# Allegro board STANDARD.brd (continued)
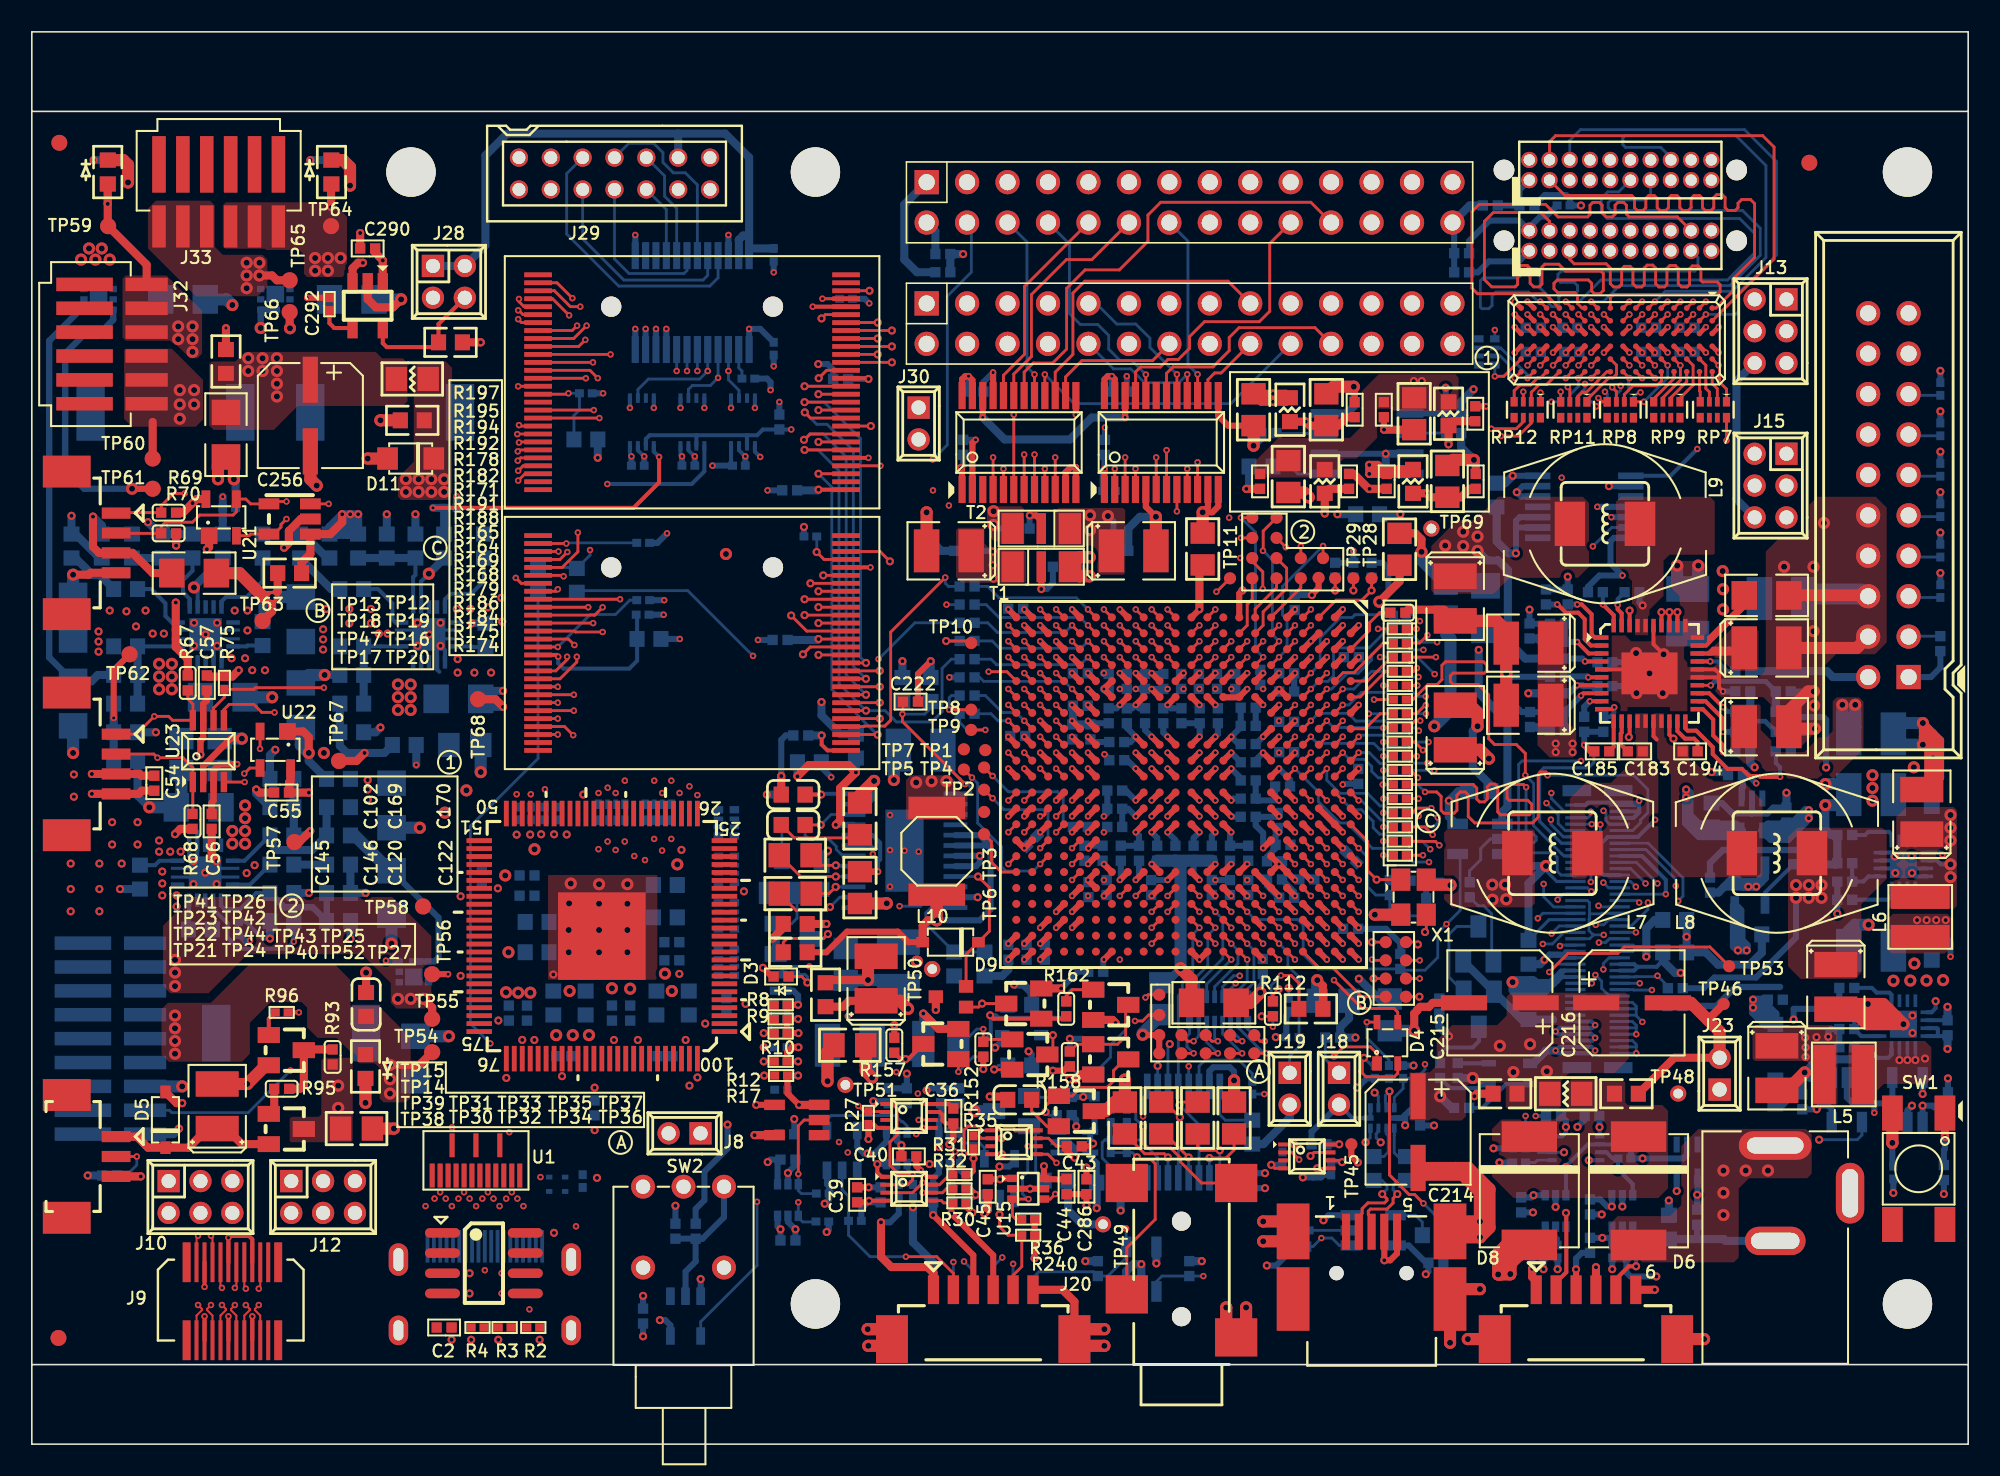
[diagram p0: board, top side]
## Nets (continued)
DRV_EXT_POWER_ON: J3.14 U9.15(B7)
DRV_GPIO00: J6.18 U9.14(B8)
DRV_GPIO02: J6.22 U9.18(B4)
DRV_GPIO11: J6.9 U9.17(B5)
DRV_GPIO12: J6.10 U9.16(B6)
DRV_INIT_DONE: J3.20 U9.21(B1)
DRV_TRIG_OUTA_1: J6.24 R31.1 U12.7(B1)
DRV_TRIG_OUTA_2: J6.25 R32.1 U12.6(B2)
DRV_TRIG_OUTB_1: J3.18 R42.1 U18.7(B1)
DRV_TRIG_OUTB_2: J3.16 R45.1 U18.6(B2)
DRV_UART0_TXD: J3.8 U9.20(B2)
DVB0: RP1.1 U3.10(QE0)
DVB1: RP1.2 U3.11(QE1)
DVB2: RP1.3 U3.12(QE2)
DVB3: RP1.4 U3.13(QE3)
DVB4: RP2.1 U3.14(QE4)
DVB5: RP2.2 U3.15(QE5)
DVB6: RP2.3 U3.16(QE6)
DVB7: RP2.4 U3.17(QE7)
DVCLK: R15.1 U3.44(ODCK)
DVDE: R23.1 U3.46(DEN)
DVG0: RP3.1 U3.20(QE8)
DVG1: RP3.2 U3.21(QE9)
DVG2: RP3.3 U3.22(QE10)
DVG3: RP3.4 U3.23(QE11)
DVG4: RP4.1 U3.24(QE12)
DVG5: RP4.2 U3.25(QE13)
DVG6: RP4.3 U3.26(QE14)
DVG7: RP4.4 U3.27(QE15)
DVHS: R16.1 U3.48(HSYNC)
DVI_5V: C2.1 J7.18(+5V) R1.2 R2.1 R3.1 R4.1 U2.8(VCC)
DVI_EDID_SCL: D2.1(CATHODE) J7.15(SCL) R3.2 U2.6(SCL)
DVI_EDID_SDA: D1.1(CATHODE) J7.16(SDA) R2.2 U2.5(SDA)
DVR0: RP5.1 U3.30(QE16)
DVR1: RP5.2 U3.31(QE17)
DVR2: RP5.3 U3.32(QE18)
DVR3: RP5.4 U3.33(QE19)
DVR4: RP6.1 U3.34(QE20)
DVR5: RP6.2 U3.35(QE21)
DVR6: RP6.3 U3.36(QE22)
DVR7: RP6.4 U3.37(QE23)
DVVS: R18.1 U3.47(VSYNC)
EXT_1V8: C3.1 C18.1 C23.1 C24.2 C26.2 C28.2 C30.2 C32.1 C35.1 C40.1 C44.1 C51.1 C56.1 J3.1 J4.2(P2) R25.1 U4.6(VCCB) U6.C3(1VCCB) U6.F3(2VCCB) U6.L3(3VCCB) U6.P3(4VCCB) U8.23(VCCB1) U8.24(VCCB) U9.23(VCCB1) U9.24(VCCB) U12.8(VCCB) U15.6(VCCB) U18.8(VCCB) U23.3(VCCA)
EXT_POWER_ON: U7.D21(EXT_POWER_ON) U9.9(A7)
EXT_TRIG1_IN_VCC: C38.1 C294.1 J10.1 J10.3 J10.5 J11.1 R28.1 U11.1(VCCA) U51.5(VCC)
EXT_TRIG1_OUT_VCC: C47.1 J13.1 J13.3 J13.5 J14.1 R38.1 U16.6(VCCB)
EXT_TRIG2_IN_VCC: C42.1 C295.1 J11.4 J12.1 J12.3 J12.5 R33.1 U13.1(VCCA) U52.5(VCC)
EXT_TRIG2_OUT_VCC: C49.1 J14.4 J15.1 J15.3 J15.5 R40.1 U17.6(VCCB)
FAN1_OUT: C67.2 D5.2(CATHODE) J22.1 Q1.1(EMITTER)
FAN1_PWMR: Q2.2(BASE) R96.2
FAN1_PWMZ: Q2.3(COLLECTOR) R93.1 R95.1
FAN1_PWMZR: Q1.2(BASE) R95.2
FAN_LOCKED: J22.2 R94.1 U7.B17(FAN_LOCK)
FAN_PWM: R96.1 U7.D15(FAN_PWM)
FLASH_CSS2Z: R62.1 U20.32(C\E\)
FLASH_CSSZ: R59.1 U19.32(C\E\)
FLASH_CSZ: R59.2 U7.U2(PM_CSZ_1)
FLASH_CSZ_2: R62.2 U7.U1(PM_CSZ_2)
FLASH_RSTZ: R65.1 R66.1 U19.14(R\P\) U20.14(R\P\)
GPIO_00: U7.C15(GPIO_00) U9.10(A8)
GPIO_02: U7.A17(GPIO_02) U9.6(A4)
GPIO_11: U7.A19(GPIO_11) U9.7(A5)
GPIO_12: U7.M4(GPIO_12) U9.8(A6)
GRN_ANODE: C269.2 D13.1(ANODE) J32.1 J32.2 J32.3 L12.2 R212.2(N2) TP59.1(P1)
GRN_CATHODE: J32.4 J32.5 J32.6 Q17.1(D3) Q17.2(D2) Q17.5(D5) Q17.6(D6) Q17.D(D_BOTTOM) TP60.1(P1)
GRN_LED_EN: R216.2(N2) R237.1 U41.5(Y)
GRN_LED_EN_CON: J29.6(P6) U42.20(B2)
GRN_LED_PWM_CON: J29.9(P9) U42.17(B5)
HOLD_BOOT_LOADER: J18.1 R71.1 U7.D18(HOLD_W_BOOT)
I2C1_SCL: J17.1 R67.1 U7.J3(I2C1_SCL) U22.2(IO1) U23.8(B1)
I2C1_SDA: J17.2 R68.1 U7.J4(I2C1_SDA) U22.3(IO2) U23.1(B2)
I2C_ADDR_SEL: J19.1 R74.1 U7.F21(I2C_ADDR_SEL)
ICE_RSTZ: J24.15 R109.2 U31.4(\ \R\E\S\E\T) U32.2(I)
ICTSEN_PD: R113.2 U7.V6(ICTSEN)
INIT_DONE: U7.F19(INIT_DONE) U9.3(A1)
LED_CTRL_VOLTAGE: C248.1 J28.1 J28.3 J29.11(P11) U42.23(VCCB1) U42.24(VCCB)
LED_STATUS_GRN: D4.1(CATHODE1) U7.C16(HEARTBEAT)
LED_STATUS_RED: D4.4(CATHODE2) U7.B16(FAULT_STATUS)
LED_VOUT: J31.2 U44.3(AIN)
LEDB_EN: U7.K1(LEDB_EN) U42.5(A3) U43.2(B)
LEDB_PWM: R228.2(N2) U7.K4(LEDB_PWM) U42.8(A6)
LEDG_EN: U7.L4(LEDG_EN) U41.2(B) U42.4(A2)
LEDG_PWM: R217.2(N2) U7.K3(LEDG_PWM) U42.7(A5)
LEDR_EN: U7.L3(LEDR_EN) U40.2(B) U42.3(A1)
LEDR_PWM: R206.2(N2) U7.K2(LEDR_PWM) U42.6(A4)
MAN_RSTZ: J23.1 R102.2 SW1.3 U31.3(\ \M\R)
MDE: RP12.4 U6.P6(4A4)
MHS: RP12.2 U6.N6(4A2)
MOC: RP12.1 U6.N5(4A1)
MS1: RP13.1 U6.R5(4A5)
MS2: RP13.2 U6.R6(4A6)
MS3: RP13.3 U6.T6(4A7)
MS4: RP13.4 U6.T5(4A8)
MUX_DATAEN: R23.2 RP12.5 TP3.1 U7.AA16(P1_DATEN)
MUX_HSYNC: R16.2 RP12.7 TP1.1 U7.AB16(P1_HSYNC)
MUX_PCLK: R15.2 RP12.8 TP7.1 U7.W15(P1A_CLK)
MUX_VSYNC: R18.2 RP12.6 TP2.1 U7.Y15(P1_VSYNC)
MVS: RP12.3 U6.P5(4A3)
OVCC_3V3: C9.1 C10.1 C296.1 L2.1 R5.2 R6.2 R7.2 R8.2 R9.2 R10.2 R11.2 R12.2 U3.18(OVCC_0) U3.29(OVCC_1) U3.43(OVCC_2) U3.57(OVCC_3) U3.78(OVCC_4)
P1_A2: RP5.8 RP7.8 U7.AB18(P1_A_2)
P1_A3: RP5.7 RP7.7 U7.Y17(P1_A_3)
P1_A4: RP5.6 RP7.6 U7.AA18(P1_A_4)
P1_A5: RP5.5 RP7.5 U7.AB19(P1_A_5)
P1_A6: RP6.8 RP9.8 U7.W17(P1_A_6)
P1_A7: RP6.7 RP9.7 U7.Y18(P1_A_7)
P1_A8: RP6.6 RP9.6 U7.AA19(P1_A_8)
P1_A9: RP6.5 RP9.5 U7.AB20(P1_A_9)
P1_B2: RP3.8 RP8.8 U7.AA20(P1_B_2)
P1_B3: RP3.7 RP8.7 U7.W21(P1_B_3)
P1_B4: RP3.6 RP8.6 U7.W22(P1_B_4)
P1_B5: RP3.5 RP8.5 U7.V21(P1_B_5)
P1_B6: RP4.8 RP10.8 U7.U19(P1_B_6)
P1_B7: RP4.7 RP10.7 U7.V22(P1_B_7)
P1_B8: RP4.6 RP10.6 U7.U20(P1_B_8)
P1_B9: RP4.5 RP10.5 U7.U21(P1_B_9)
P1_C2: RP1.8 RP11.8 U7.T20(P1_C_2)
P1_C3: RP1.7 RP11.7 U7.T21(P1_C_3)
P1_C4: RP1.6 RP11.6 U7.R22(P1_C_4)
P1_C5: RP1.5 RP11.5 U7.R21(P1_C_5)
P1_C6: RP2.8 RP14.8 U7.R20(P1_C_6)
P1_C7: RP2.7 RP14.7 U7.R19(P1_C_7)
P1_C8: RP2.6 RP14.6 U7.P22(P1_C_8)
P1_C9: RP2.5 RP14.5 U7.P21(P1_C_9)
P1_FIELD: TP4.1 U7.W14(P1_FIELD)
P1P2V: C78.1 C79.2 C84.1 C85.1 C86.1 C87.1 C88.1 C89.1 C90.1 C91.1 C92.1 C93.1 C94.1 C95.1 C96.1 C97.1 C98.1 C99.1 C100.1 C103.1 C104.1 C105.1 C106.1 C107.1 C108.1 C109.1 C110.1 C111.1 C112.1 C113.1 C114.1 C115.1 C116.1 C117.1 C118.1 C119.1 C120.1 C184.2 FB1.1 FB2.1 L7.2 R115.2 T1.1 U7.E6(VDDC_E6) U7.E12(VDDC_E12) U7.E17(VDDC_E17) U7.F5(VDDC_F5) U7.F6(VDDC_F6) U7.F7(VDDC_F7) U7.F12(VDDC_F12) U7.F16(VDDC_F16) U7.F17(VDDC_F17) U7.F18(VDDC_F18) U7.G5(VDDC_G5) U7.G6(VDDC_G6) U7.G17(VDDC_G17) U7.K6(VDDC_K6) U7.K17(VDDC_K17) U7.L6(VDDC_L6) U7.L17(VDDC_L17) U7.M5(VDDC_M5) U7.M6(VDDC_M6) U7.N17(VDDC_N17) U7.P6(VDDC_P6) U7.P17(VDDC_P17) U7.R6(VDDC_R6) U7.R17(VDDC_R17) U7.U5(VDDC_U5) U7.U6(VDDC_U6) U7.U7(VDDC_U7) U7.U16(VDDC_U16) U7.U17(VDDC_U17) U7.U18(VDDC_U18)
P1P2V_FPD: C80.1 T1.3 U7.U11(VDD12_FPD_U11) U7.U12(VDD12_FPD_U12) U7.V11(VDD12_FPD_V11) U7.V12(VDD12_FPD_V12)
P1P2V_PLLD: C121.1 C122.2 FB2.2 U7.E13(PLLD_VDD)
P1P2V_PLLM: C101.1 C102.2 FB1.2 U7.E14(PLLM_VDD)
P1P8V_LDO: C144.1 C145.1 C168.1 C169.1 C189.2 FB3.1 FB4.1 U34.5(OUT)
P1P8V_LED: C291.2 J28.4 U50.5(OUT)
P1P8V_TIN: C287.2 J10.6 J12.6 U48.5(OUT)
P1P8V_TOUT: C289.2 J13.6 J15.6 U49.5(OUT)
P1P9V: C171.1 C172.1 C173.1 C174.1 C175.1 C176.1 C177.1 C178.1 C192.2 C242.2 J27.P16 J27.P17 L8.2 R121.2 R189.1 U7.A4(VDD_DMD_A4) U7.A11(VDD_DMD_A11) U7.E8(VDD_DMD_E8) U7.E10(VDD_DMD_E10) U7.F8(VDD_DMD_F8) U7.F10(VDD_DMD_F10)
P2_CLK: TP6.1 U7.AB17(P1B_CLK)
P2P5V: C187.1 C234.2 C239.2 FB6.1 TP69.1 U34.4(IN) U37.5(1D) U39.5(OUT)
P3_CLK: TP5.1 U7.Y16(P1C_CLK)
P3P3V: C1.1 C4.1 C5.1 C6.1 C11.1 C12.1 C17.1 C25.2 C27.2 C29.2 C31.2 C33.1 C34.1 C36.1 C37.1 C39.1 C41.1 C43.1 C45.1 C46.1 C48.1 C50.1 C52.2 C53.2 C54.2 C55.2 C57.1 C58.2 C63.1 C64.2 C65.1 C71.2 C76.2 C77.2 C81.1 C82.2 C123.1 C124.1 C125.1 C126.1 C127.1 C128.1 C129.1 C130.1 C131.1 C132.1 C133.1 C134.1 C135.1 C136.1 C137.1 C138.1 C139.1 C140.1 C141.1 C142.1 C143.1 C147.1 C148.1 C149.1 C150.1 C151.1 C152.1 C153.1 C154.1 C155.1 C156.1 C157.1 C158.1 C159.1 C160.1 C161.1 C162.1 C163.1 C164.1 C165.1 C166.1 C167.1 C208.2 C211.2 C233.2 C246.1 C247.1 C249.1 C250.1 C251.2 C252.2 C264.2 C265.2 C273.2 C274.2 C282.2 C283.2 C284.2 C285.2 C286.1 C288.1 C290.1 C298.1 J10.4 J12.4 J13.4 J15.4 J16.3 J17.3 J19.2 J24.1 J24.2 J28.2 J31.3 L1.1 L2.2 L3.1 L4.2 L5.2 R26.1 R30.1 R37.1 R39.1 R41.1 R48.1 R49.1 R51.1 R52.1 R67.2 R68.2 R69.2 R70.2 R71.2 R72.2 R73.2 R76.2 R79.2 R80.2 R81.2 R85.2 R88.1 R94.2 R99.2 R101.2 R102.1 R103.2 R104.1 R105.1 R106.1 R107.1 R108.1 R109.1 R117.1 R120.1 R131.1 R198.1 R199.1 R202.2(N2) R209.1(N1) R213.2(N2) R220.1(N1) R224.2(N2) R231.1(N1) R233.1 R234.1 R236.2 T2.1 U1.13(VCC_13) U1.15(VCC_15) U4.1(VCCA) U5.5(VCC) U6.C4(1VCCA) U6.F4(2VCCA) U6.L4(3VCCA) U6.P4(4VCCA) U7.A16(VDD33_A16) U7.A20(VDD33_A20) U7.AA15(VDD33_AA15) U7.AA22(VDD33_AA22) U7.AB1(VDD33_AB1) U7.AB9(VDD33_AB9) U7.AB15(VDD33_AB15) U7.AB21(VDD33_AB21) U7.E1(VDD33_E1) U7.E15(VDD33_E15) U7.F13(VDD33_F13) U7.F15(VDD33_EF15) U7.G22(VDD33_G22) U7.H5(VDD33_H5) U7.H6(VDD33_H6) U7.H17(VDD33_H17) U7.H18(VDD33_H18) U7.J5(VDD33_J5) U7.J6(VDD33_J6) U7.J17(VDD33_J17) U7.J18(VDD33_J18) U7.K5(VDD33_K5) U7.K18(VDD33_K18) U7.L1(VDD33_L1) U7.L5(VDD33_L5) U7.N5(VDD33_N5) U7.N18(VDD33_N18) U7.P5(VDD33_P5) U7.R5(VDD33_R5) U7.T5(VDD33_T5) U7.T6(VDD33_T6) U7.T17(VDD33_T17) U7.T18(VDD33_T18) U7.T22(VDD33_T22) U7.U9(VDD33_U9) U7.U14(VDD33_U14) U7.V1(VDD33_V1) U7.V9(VDD33_V9) U7.Y22(VDD33_Y22) U8.1(VCCA) U9.1(VCCA) U10.8(VCC) U11.6(VCCB) U12.1(VCCA) U13.6(VCCB) U14.8(VCC) U15.1(VCCA) U16.1(VCCA) U17.1(VCCA) U18.1(VCCA) U19.29(VCCQ) U19.43(VCC) U20.29(VCCQ) U20.43(VCC) U21.4(VCC) U22.4(VCC) U23.7(VCCB) U25.8(VCC) U26.5(VCC) U27.10(VCC) U29.14(VOS) U30.5(VCC) U31.5(VDD) U32.5(VCC) U36.5(VCC) U37.2(1B) U37.14(VCC) U39.1(IN) U39.3(EN) U40.8(VCC) U41.8(VCC) U42.1(VCCA) U43.8(VCC) U44.1(VDD) U48.4(IN) U49.4(IN) U50.1(IN) U50.3(EN) U55.5(VCC)
P3P3V_FPD: C83.1 T2.3 U7.U10(VDD33_FPD_U10) U7.U13(VDD33_FPD_U13) U7.V10(VDD33_FPD_V10) U7.V13(VDD33_FPD_V13)
PG_P1P8V_LDO: R117.2 U34.1(PG) U37.4(1C)
PG_P12V_TDS: R120.2 U35.5(\\R\E\S\E\T) U36.1(A)
PGOOD_TPS: R131.2 U33.27(PGOOD) U37.1(1A)
PM_ADR_0: U7.AB7(PM_ADDR_0) U19.31(A0) U20.31(A0)
PM_ADR_1: U7.AA7(PM_ADDR_1) U19.26(A1) U20.26(A1)
PM_ADR_2: U7.W8(PM_ADDR_2) U19.25(A2) U20.25(A2)
PM_ADR_3: U7.AB6(PM_ADDR_3) U19.24(A3) U20.24(A3)
PM_ADR_4: U7.Y7(PM_ADDR_4) U19.23(A4) U20.23(A4)
PM_ADR_5: U7.AA6(PM_ADDR_5) U19.22(A5) U20.22(A5)
PM_ADR_6: U7.AB5(PM_ADDR_6) U19.21(A6) U20.21(A6)
PM_ADR_7: U7.W7(PM_ADDR_7) U19.20(A7) U20.20(A7)
PM_ADR_8: U7.Y6(PM_ADDR_8) U19.10(A8) U20.10(A8)
PM_ADR_9: U7.AA5(PM_ADDR_9) U19.9(A9) U20.9(A9)
PM_ADR_10: U7.AB4(PM_ADDR_10) U19.8(A10) U20.8(A10)
PM_ADR_11: U7.W6(PM_ADDR_11) U19.7(A11) U20.7(A11)
PM_ADR_12: U7.Y5(PM_ADDR_12) U19.6(A12) U20.6(A12)
PM_ADR_13: U7.AA4(PM_ADDR_13) U19.5(A13) U20.5(A13)
PM_ADR_14: U7.AB3(PM_ADDR_14) U19.4(A14) U20.4(A14)
PM_ADR_15: U7.W5(PM_ADDR_15) U19.3(A15) U20.3(A15)
PM_ADR_16: U7.Y4(PM_ADDR_16) U19.54(A16) U20.54(A16)
PM_ADR_17: U7.AA3(PM_ADDR_17) U19.19(A17) U20.19(A17)
PM_ADR_18: U7.AB2(PM_ADDR_18) U19.18(A18) U20.18(A18)
PM_ADR_19: U7.Y1(PM_ADDR_19) U19.11(A19) U20.11(A19)
PM_ADR_20: U7.W2(PM_ADDR_20) U19.12(A20) U20.12(A20)
PM_ADR_21: R47.1 U7.W1(PM_ADDR_21) U19.15(A21) U20.15(A21)
PM_ADR_22: R46.1 U7.V3(PM_ADDR_22) U19.2(A22) U20.2(A22)
PM_BLS0: R53.2 U7.AB8(PM_BLSZ_0)
PM_BLS0S: R53.1 TP9.1
PM_BLS1: R50.2 U7.AA8(PM_BLSZ_1)
PM_BLS1S: R50.1 TP8.1
PM_DAT_0: U7.T4(PM_DATA_0) U19.35(DQ0) U20.35(DQ0)
PM_DAT_1: U7.T3(PM_DATA_1) U19.37(DQ1) U20.37(DQ1)
PM_DAT_2: U7.T2(PM_DATA_2) U19.39(DQ2) U20.39(DQ2)
PM_DAT_3: U7.T1(PM_DATA_3) U19.41(DQ3) U20.41(DQ3)
PM_DAT_4: U7.R4(PM_DATA_4) U19.44(DQ4) U20.44(DQ4)
PM_DAT_5: U7.R3(PM_DATA_5) U19.46(DQ5) U20.46(DQ5)
PM_DAT_6: U7.R2(PM_DATA_6) U19.48(DQ6) U20.48(DQ6)
PM_DAT_7: U7.P4(PM_DATA_7) U19.50(DQ7) U20.50(DQ7)
PM_DAT_8: U7.P3(PM_DATA_8) U19.36(DQ8) U20.36(DQ8)
PM_DAT_9: U7.P2(PM_DATA_9) U19.38(DQ9) U20.38(DQ9)
PM_DAT_10: U7.P1(PM_DATA_10) U19.40(DQ10) U20.40(DQ10)
PM_DAT_11: U7.N4(PM_DATA_11) U19.42(DQ11) U20.42(DQ11)
PM_DAT_12: U7.N3(PM_DATA_12) U19.45(DQ12) U20.45(DQ12)
PM_DAT_13: U7.N2(PM_DATA_13) U19.47(DQ13) U20.47(DQ13)
PM_DAT_14: U7.N1(PM_DATA_14) U19.49(DQ14) U20.49(DQ14)
PM_DAT_15: U7.M1(PM_DATA_15) U19.51(DQ15) U20.51(DQ15)
PM_OESZ: R55.1 U19.34(O\E\) U20.34(O\E\)
PM_OEZ: R55.2 U7.U4(PM_OEZ)
PM_SRAM_CSSZ: R58.1 TP10.1
PM_SRAM_CSZ: R58.2 U7.U3(PM_CSZ_0)
PM_WESZ: R54.1 U19.13(W\) U20.13(W\)
PM_WEZ: R54.2 U7.V2(PM_WEZ)
POSENSE: R66.2 R136.1 R140.1 U36.2(B) U37.6(1Y)
POWER_ON_OFF: U7.N21(POWER_ON_OFF) U55.4
PP5P0V: C19.1 C20.1 C21.1 C69.2 J1.1(P1) J1.2(P2) J3.2 J10.2 J12.2 J13.2 J15.2 L6.2 R97.2 R98.2 U28.14(VOS)
PWRGOOD: R65.2 R234.2 U7.H19(PWRGOOD) U32.4(O) U36.4(Y)
RCK_IN_N: J9.5(P5) U7.W9(RCK_IN_N)
RCK_IN_P: J9.1(P1) U7.Y9(RCK_IN_P)
RED_ANODE: C260.2 D12.1(ANODE) J31.4 J31.5 J31.6 L11.2 R201.2(N2) TP54.1(P1)
RED_CATHODE: J31.7 J31.8 J31.9 Q16.1(D3) Q16.2(D2) Q16.5(D5) Q16.6(D6) Q16.D(D_BOTTOM) TP55.1(P1)
RED_LED_EN: R139.1 R205.2(N2) U40.5(Y)
RED_LED_EN_CON: J29.5(P5) U42.21(B1)
RED_LED_PWM_CON: J29.8(P8) U42.18(B4)
RS232_RX: R82.2 R84.2 U24.8(R2IN)
RS232_TX: R77.2 R78.2 U24.7(T2OUT)
RTCK: J24.11 R107.2 R112.1
RTCKR: R112.2 U7.G18(RTCK)
RX_CLKN: J7.12(CLK-) U1.12(D3N) U3.94(RXC-)
RX_CLKP: J7.11(CLK+) U1.10(D3P) U3.93(RXC+)
RX_DATA0N: J7.9(DAT0-) U1.9(D2N) U3.91(RX0-)
RX_DATA0P: J7.8(DAT0+) U1.7(D2P) U3.90(RX0+)
RX_DATA1N: J7.6(DAT1-) U1.6(D1N) U3.86(RX1-)
RX_DATA1P: J7.5(DAT1+) U1.4(D1P) U3.85(RX1+)
RX_DATA2N: J7.3(DAT2-) U1.3(D0N) U3.81(RX2-)
RX_DATA2P: J7.2(DAT2+) U1.1(D0P) U3.80(RX2+)
RXE_AN: J9.6(P6) U7.AA10(RA_IN_N)
RXE_AP: J9.2(P2) U7.AB10(RA_IN_P)
RXE_BN: J9.11(P11) U7.W11(RB_IN_N)
RXE_BP: J9.7(P7) U7.Y11(RB_IN_P)
RXE_CN: J9.12(P12) U7.AA12(RC_IN_N)
RXE_CP: J9.8(P8) U7.AB12(RC_IN_P)
RXE_DN: J9.17(P17) U7.W13(RD_IN_N)
RXE_DP: J9.13(P13) U7.Y13(RD_IN_P)
RXE_EN: J9.18(P18) U7.AA14(RE_IN_N)
RXE_EP: J9.14(P14) U7.AB14(RE_IN_P)
SCDT: R24.2 U3.8(SCDT)
SCL0: J16.1 R69.1 U7.M2(I2C0_SCL) U21.2(IO1) U44.5(SCL)
SDA0: J16.2 R70.1 U7.M3(I2C0_SDA) U21.3(IO2) U44.4(SDA)
SEQ_SYNC: R114.1 U7.E16(SPARE)
SSP0_CLK: TP25.1 U7.F4(RESERVED_F4)
SSP0_CSZ0: R79.1 TP29.1 U7.D2(RESERVED_D2)
SSP0_CSZ1: R80.1 TP28.1 U7.C1(RESERVED_C1)
SSP0_RXD: R81.1 TP27.1 U7.D1(RESERVED_D1)
SSP0_TXD: TP26.1 U7.F3(RESERVED_F3)
ST_GPIO5: U7.D16(GPIO_05) U8.10(A8)
ST_GPIO6: U7.A18(GPIO_06) U8.9(A7)
ST_MSTR_MUX_SEL: R14.1 U4.3(A) U5.2
ST_MSTR_MUX_SELZ: R7.1 R11.1 U3.2(P\D\) U3.9(P\D\O\) U5.4 U6.A4(1O\E\) U6.H4(2O\E\) U6.J4(3O\E\) U6.T4(4O\E\) U8.22(O\E\) U9.22(O\E\)
ST_TRIG_IN_1: R27.1 U8.4(A2) U10.2(B)
ST_TRIG_IN_2: R35.1 U8.5(A3) U14.2(B)
ST_TRIG_SEL: R36.1 U10.6(A\-B) U14.6(A\-B) U15.3(A)
ST_UART0_RXD: R87.1 U8.7(A5) U25.2(B)
ST_UART_SEL: R86.1 U8.8(A6) U25.6(A\-B)
ST_USB_SEL: R92.1 U8.6(A4) U27.9(SEL)
SYS_DATA00: J1.4(P4) U6.A2(1B1)
SYS_DATA01: J1.3(P3) U6.A1(1B2)
SYS_DATA02: J1.6(P6) U6.B2(1B3)
SYS_DATA03: J1.5(P5) U6.B1(1B4)
SYS_DATA04: J1.8(P8) U6.C2(1B5)
SYS_DATA05: J1.7(P7) U6.C1(1B6)
SYS_DATA06: J4.15(P15) U6.D2(1B7)
SYS_DATA07: J4.9(P9) U6.D1(1B8)
SYS_DATA08: J4.11(P11) U6.E2(2B1)
SYS_DATA09: J4.13(P13) U6.E1(2B2)
SYS_DATA10: J1.10(P10) U6.F2(2B3)
SYS_DATA11: J1.16(P16) U6.F1(2B4)
SYS_DATA12: J1.9(P9) U6.G2(2B5)
SYS_DATA13: J4.10(P10) U6.G1(2B6)
SYS_DATA14: J1.12(P12) U6.H1(2B7)
SYS_DATA15: J4.7(P7) U6.H2(2B8)
SYS_DATA16: J4.8(P8) U6.J2(3B1)
SYS_DATA17: J4.5(P5) U6.J1(3B2)
SYS_DATA18: J4.6(P6) U6.K2(3B3)
SYS_DATA19: J1.13(P13) U6.K1(3B4)
SYS_DATA20: J4.3(P3) U6.L2(3B5)
SYS_DATA21: J4.4(P4) U6.L1(3B6)
SYS_DATA22: J1.14(P14) U6.M2(3B7)
SYS_DATA23: J1.11(P11) U6.M1(3B8)
SYS_DATA_EN: J4.17(P17) U6.P1(4B4)
SYS_GPIO5: J6.14 U8.14(B8)
SYS_GPIO6: J6.17 U8.15(B7)
SYS_HSYNC: J4.18(P18) U6.N1(4B2)
SYS_I2C1_SCL: J4.14(P14) U23.5(A1)
SYS_I2C1_SDA: J1.15(P15) U23.4(A2)
SYS_I2C_OE: J6.27 R75.1 U23.6(OE)
SYS_MSTR_MUX_SEL: J3.4 R13.1 U4.4(B)
SYS_PCLK: J4.16(P16) U6.N2(4B1)
SYS_TRIG_IN_1: J3.10 U8.20(B2)
SYS_TRIG_IN_2: J3.12 U8.19(B3)
SYS_TRIGGER_SEL: J6.19 U15.4(B)
SYS_UART0_RXD: J3.6 U8.17(B5)
SYS_UART_SEL: J6.20 U8.16(B6)
SYS_USB_DN: J6.3 U27.4(2DN)
SYS_USB_DP: J6.5 U27.3(2DP)
SYS_USB_SEL: J3.22 U8.18(B4)
SYS_VSYNC: J1.17(P17) U6.P2(4B3)
T_TRIG1_IN_CON: R29.1 U10.1(A) U11.4(B) U12.2(A1)
T_TRIG2_IN_CON: R34.1 U12.3(A2) U13.4(B) U14.1(A)
TCK: J24.9 J25.5 R106.2 U7.R18(TCK)
TDI: J24.5 J25.2 R104.2 U7.P18(TDI)
TDO1: J25.4 U7.L18(TDO1)
TDO2: J24.13 R108.2 U7.M18(TDO2)
TMS1: J25.3 U7.V15(TMS1)
TMS2: J24.7 R105.2 U7.V16(TMS2)
TRACEPKT0: RN1.9 TP37.1
TRACEPKT0R: RN1.8 U7.H21(TSTPT_0)
TRACEPKT1: RN1.10 TP36.1
TRACEPKT1R: RN1.7 U7.H22(TSTPT_1)
TRACEPKT2: RN1.11 TP35.1
TRACEPKT2R: RN1.6 U7.J19(TSTPT_2)
TRACEPKT3: RN1.12 TP34.1
TRACEPKT3R: RN1.5 U7.J20(TSTPT_3)
TRACEPKT4: RN1.13 TP33.1
TRACEPKT4R: RN1.4 U7.J21(TSTPT_4)
TRACEPKT5: RN1.14 TP32.1
TRACEPKT5R: RN1.3 U7.J22(TSTPT_5)
TRACEPKT6: RN1.15 TP31.1
TRACEPKT6R: RN1.2 U7.K19(TSTPT_6)
TRACEPKT7: RN1.16 TP30.1
TRACEPKT7R: RN1.1 U7.K20(TSTPT_7)
TRIG1_IN_CON: J11.2 R239.1 U51.2
TRIG1_IN_T: U11.3(A) U51.4
TRIG1_OUT_CON: J14.2 U16.4(B)
TRIG2_IN_CON: J11.5 R240.1 U52.2
TRIG2_IN_T: U13.3(A) U52.4
TRIG2_OUT_CON: J14.5 U17.4(B)
TRIG_IN_1: U7.G19(TRIG_IN_1) U10.5(Y)
TRIG_IN_2: U7.F22(TRIG_IN_2) U14.5(Y)
TRIG_OUT_1: R43.1 U7.C17(TRIG_OUT1) U16.3(A) U18.2(A1)
TRIG_OUT_2: R44.1 U7.K21(TRIG_OUT2) U17.3(A) U18.3(A2)
TRSTZ: J25.1 R101.1 U7.V17(TRSTZ) U30.4(O)
TRSTZ_IN: J24.3 R103.1 R110.2 U30.1(O\E\)
UART0_CTSZ: U7.L20(UART0_CTSZ) U24.12(R1OUT)
UART0_RTSZ: U7.M19(UART0_RTSZ) U24.11(T1IN)
UART0_RXD: U7.L21(UART0_RXD) U25.5(Y)
UART0_RXD_DRV: U24.9(R2OUT) U25.1(A)
UART0_TXD: U7.L19(UART0_TXD) U9.4(A2) U24.10(T2IN)
USB_DAT_N: J21.2 R90.1
USB_DAT_NS: R90.2 U27.2(1DN)
USB_DAT_P: J21.3 R91.1
USB_DAT_PS: R91.2 U27.1(1DP)
USB_ENZ: R85.1 U7.C18(USB_ENZ) U26.1(O\E\)
VBIAS: C237.1 C238.1 C243.2 J27.M14 J27.M15 R148.1 R154.1 R155.1 TP50.1 U38.13(OUT3)
VOFFSET: C222.1 C223.2 C224.2 C245.2 J27.P13 J27.P14 Q5.2(D) R143.1 R152.1 R153.1 TP48.1
VOFFSET_1: D9.2(CATHODE) Q5.3(S) U38.9(SUP OUT1)
VRST: C230.2 C231.1 C232.1 C244.2 DN2.1(A1) J27.M17 J27.M18 Q12.1(EMITTER) R147.2 R160.2 R161.2 TP49.1
WPZ: R48.2 R56.1 U19.16(VPPW\R\)
WPZ_2: R51.2 R57.1 U20.16(VPPW\R\)
XTAL_IN: C217.1 R137.1 U7.A14(MOSC) X1.1
XTAL_OUT: R137.2 R138.2 U7.A15(MOSCN)
N17804736: R76.1 U24.16(VCC)
N17814447: C59.1 U24.2(V+)
N17816824: C61.1 U24.6(V-)
N17818051: C60.2 U24.1(C1+)
N17818648: C60.1 U24.3(C1-)
N17820554: C62.2 U24.4(C2+)
N17821152: C62.1 U24.5(C2-)
N19812982: D7.2(ANODE1) R133.2
N19813769: D7.3(ANODE2) R132.2
N19817079: D7.4(CATHODE2) R135.1
N19817873: Q3.3(COLLECTOR) R135.2
N19818669: Q3.2(BASE) Q4.3(COLLECTOR) R134.2
N19848267: C218.1 R138.1 X1.3
N23600777: R111.2 SW1.1
N23850765: C219.2 R140.2 U7.G21(POSENSE)
N34604614: C183.2 L7.1 U33.14(LX1_14) U33.15(LX1_15)
N34607791: R115.1 R119.2 U33.7(FB1)
N34618419: C183.1 U33.12(BST1)
N34623631: C190.2 R118.1 U33.8(COMP1)
N34624445: C188.2 R118.2
N34740015: C185.1 U33.11(EN1)
N34740957: C186.1 U33.9(SS1)
N34741901: R116.2 U33.10(RLIM1)
N34745703: R122.2 U33.21(RLIM2)
N34745748: C195.1 U33.20(EN2)
N34745750: C196.1 U33.22(SS2)
N34746861: R127.2 U33.1(RLIM3)
N34746906: C203.1 U33.40(EN3)
N34746908: C205.1 U33.2(SS3)
N34750000: R130.2 U33.6(ROSC)
N34754583: C209.2 U33.29(V3V)
N34755569: C210.1 U33.28(V7V)
N35882942: R197.2 U7.A3(EXRES)
N37295707: C236.2 U39.4(NR)
N38089677: C194.2 L8.1 U33.16(LX2_16) U33.17(LX2_17)
N38089692: C194.1 U33.19(BST2)
N38089700: R121.1 R124.2 U33.24(FB2)
N38089740: C198.2 R123.1 U33.23(COMP2)
N38089774: C197.2 R123.2
N38091881: C202.2 L9.1 U33.36(LX3_36) U33.37(LX3_37)
N38091891: C202.1 U33.39(BST3)
N38091910: R126.1 R129.2 U33.4(FB3)
N38091944: C207.2 R128.1 U33.3(COMP3)
N38091976: C206.2 R128.2
N38254379: C222.2 R143.2 R145.2 U38.1(FB1)
N38254405: C228.2 DN1.1(A1) DN2.2(K2)
N38254420: R148.2 R149.2 U38.12(FB3)
N38254445: C227.2 DN1.3(K1)
N38254459: C235.1 R146.1 U38.20(REF)
N38254553: R146.2 R147.1 U38.21(FB2)
N38254683: R144.2 U38.22(COMP)
N38254697: C226.2 U38.17(C1-)
N38254720: C226.1 U38.16(C1+)
N38254804: C225.2 R144.1
N38254878: C227.1 U38.18(DRV)
N38254887: C229.2 U38.15(C2-/MODE)
N38254889: C229.1 U38.14(C2+)
N38254900: C220.2 D9.1(ANODE) L10.2 U38.5(SW0) U38.6(SW1)
N38255033: Q8.2(BASE) Q11.3(COLLECTOR) R152.2
N38255053: D10.1(CATHODE) Q8.3(COLLECTOR)
N38255105: Q11.2(BASE) Q14.3(COLLECTOR) R157.2
N38255154: Q6.1(EMITTER) R150.2
N38255158: Q6.3(COLLECTOR) Q12.2(BASE) R160.1
N38255164: Q9.2(BASE) Q12.3(COLLECTOR) R156.2
N38255178: Q9.1(EMITTER) R161.1
N38255238: Q15.2(BASE) R162.2
N38255268: Q13.2(BASE) Q15.3(COLLECTOR) R158.2
N38255270: Q10.2(BASE) Q13.3(COLLECTOR) R154.2
N38255292: Q10.1(EMITTER) R155.2
N38255368: Q14.2(BASE) R159.2
N38301403: Q8.1(EMITTER) R153.2
N38817036: C200.2 U35.1(REF)
N38828044: C199.2 U35.3(CT)
N38834896: R125.1 U35.6(RESET)
N39782474: TP22.1 U7.H3(GPIO_34)
N39782477: TP23.1 U7.H4(GPIO_35)
N39787655: TP20.1 U7.F20(GPIO_29)
N39787766: TP15.1 U7.N20(GPIO_21)
N39787775: TP14.1 U7.N19(GPIO_20)
N39787838: TP12.1 U7.B18(GPIO_14)
N40043966: Q17.3(G) R216.1(N1) TP61.1(P1) U46.10(EN)
N40043979: C266.2 U46.13(BOOT)
N40043989: C266.1 L12.1 U46.11(PH#11) U46.12(PH#12)
N40044061: C270.2 R214.2(N2)
N40044084: Q17.4(S) Q17.S(S_BOTTOM) R219.1(N1) R221.2(N2)
N40044117: R218.1(N1) R219.2(N2) R220.2(N2) U46.7(VSENSE)
N40044144: C272.2 R217.1(N1) R218.2(N2) TP62.1(P1)
N40045247: C271.2 R213.1(N1) R215.2(N2) U46.9(SS/TR)
N40046871: Q18.3(G) R227.1(N1) TP66.1(P1) U47.10(EN)
N40046886: C275.2 U47.13(BOOT)
N40046888: C275.1 L13.1 U47.11(PH#11) U47.12(PH#12)
N40046946: C280.2 R225.2(N2)
N40046991: Q18.4(S) Q18.S(S_BOTTOM) R230.1(N1) R232.2(N2)
N40047024: R229.1(N1) R230.2(N2) R231.2(N2) U47.7(VSENSE)
N40047049: C281.2 R228.1(N1) R229.2(N2) TP67.1(P1)
N40047287: C279.2 R224.1(N1) R226.2(N2) U47.9(SS/TR)
N40049371: Q16.3(G) R205.1(N1) TP56.1(P1) U45.10(EN)
N40049383: C257.2 U45.13(BOOT)
N40049385: C257.1 L11.1 U45.11(PH#11) U45.12(PH#12)
N40049443: C261.2 R203.2(N2)
N40049482: Q16.4(S) Q16.S(S_BOTTOM) R208.1(N1) R210.2(N2)
N40049520: R207.1(N1) R208.2(N2) R209.2(N2) U45.7(VSENSE)
N40049535: C263.2 R206.1(N1) R207.2(N2) TP57.1(P1)
N40049779: C262.2 R202.1(N1) R204.2(N2) U45.9(SS/TR)
N40123308: D3.1(ANODE) R24.1
N40123354: R12.1 R22.2 U3.1(DFO)
N40123376: R8.1 R19.2 U3.7(S\T\A\G\O\)
N40123398: R5.1 R17.2 U3.100(OCKINV)
N40129063: C15.1 C16.1 C293.1 L4.1 U3.6(VCC_0) U3.38(VCC_1) U3.67(VCC_2)
N40129073: C13.1 C14.1 C300.1 L3.2 U3.97(PVCC)
N40129942: J7.19(HPLG) R1.1
N40131410: J8.2 R4.2 U2.7(WP)
N40250556: D4.2(ANODE1) R72.1
N40286094: D4.3(ANODE2) R73.1
N40440345: R10.1 R21.2 U3.3(ST)
N40440442: R9.1 R20.2 U3.4(PIXS)
N40440838: R6.1 U3.99(RSVD)
N40452826: J20.3(B) R77.1 R82.1
N40452839: J20.2(A) R78.1 R84.1
N40453337: R83.2 U24.13(R1IN)
N40453340: R83.1 U24.14(T1OUT)
N40580604: R26.2 U9.2(DIR)
N40589862: R28.2 U11.5(DIR)
N40590229: R33.2 U13.5(DIR)
N40603954: R37.2 U16.5(DIR)
N40605690: R39.2 U17.5(DIR)
N40650962: R30.2 U12.5(DIR)
N40692088: R199.2 U42.2(DIR)
N40891813: C73.2 U28.9(SS/TR)
N40892304: R98.1 R100.2 U28.5(FB)
N40892332: R97.1 U28.4(PG)
N40892373: L6.1 U28.1(SW1) U28.2(SW2) U28.3(SW3)
N40960177: C75.2 U29.9(SS/TR)
N40960231: R99.1 U29.4(PG)
N40960273: L5.1 U29.1(SW1) U29.2(SW2) U29.3(SW3)
N40963957: J30.2 R198.2 U40.6(A\-B) U41.6(A\-B) U43.6(A\-B)
N41007386: R41.2 U18.5(DIR)
N41016225: R200.2(N2) U45.1(RT/CLK)
N41016296: R203.1(N1) U45.8(COMP)
N41017017: R211.2(N2) U46.1(RT/CLK)
N41017091: R214.1(N1) U46.8(COMP)
N41018338: R222.2(N2) U47.1(RT/CLK)
N41018459: R225.1(N1) U47.8(COMP)
N41209979: TP19.1 U7.E22(GPIO_28)
N41209992: TP21.1 U7.H2(GPIO_33)
N41209995: TP17.1 U7.D22(GPIO_25)
N41209998: TP18.1 U7.E21(GPIO_27)
N41210001: TP16.1 U7.E20(GPIO_24)
N41210106: TP24.1 U7.G1(GPIO_36)
N41210127: TP13.1 U7.B19(GPIO_15)
N41210256: TP11.1 U7.L2(GPIO_13)
N41444171: TP47.1 U7.H20(RESERVED_H20)
N41453208: C292.1 U50.4(NR)
N41531220: R89.2 U26.4(O)
N41563836: C299.1 R233.2 SW2.3(NC) U55.2
N41600991: R235.2 R236.1 U29.5(FB)
N225076212: Q4.2(BASE) R136.2
N404550300: TP40.1 U7.F1(ETM_PIPESTAT_2)
N404550400: TP41.1 U7.G4(ETM_PIPESTAT_1)
N404550500: TP42.1 U7.G3(ETM_PIPESTAT_0)
N404550600: TP43.1 U7.F2(ETM_TRACESYNC)
N404550680: TP44.1 U7.G2(ETM_TRACECLK)

Pads without a net: J1 18; J3 3 5 7 9 11 13 15 17 19 21 23 24 25 26; J4 12; J6 1 2 4 6 11 12 13 15 16 21 23 26 28; J7 14; J9 19 20; J20 10; J21 1; J24 17 19; J27 Y1 Y2 Z1 Z2; J29 4; RP13 5 6 7 8; SW2 1; U1 14; U3 40 41 42 49 50 51 52 53 54 55 56 59 60 61 62 63 64 65 66 69 70 71 72 73 74 75 77 96; U7 AA17 J1 J2 M20 M21 M22 N22 P19 P20 T19 U22 W16 W18 Y19; U8 3; U9 19; U10 3; U14 3; U19 1 17 27 28 30 55 56; U20 1 17 27 28 30 55 56; U25 3; U34 3; U37 3 8 11; U38 2 3; U40 3; U41 3; U42 14 15; U43 3; U45 14; U46 14; U47 14; U48 1 3; U49 1 3; U51 1; U52 1; U55 1